# Altium PCB PCB22.PcbDoc (part 10 of 16) (continued)
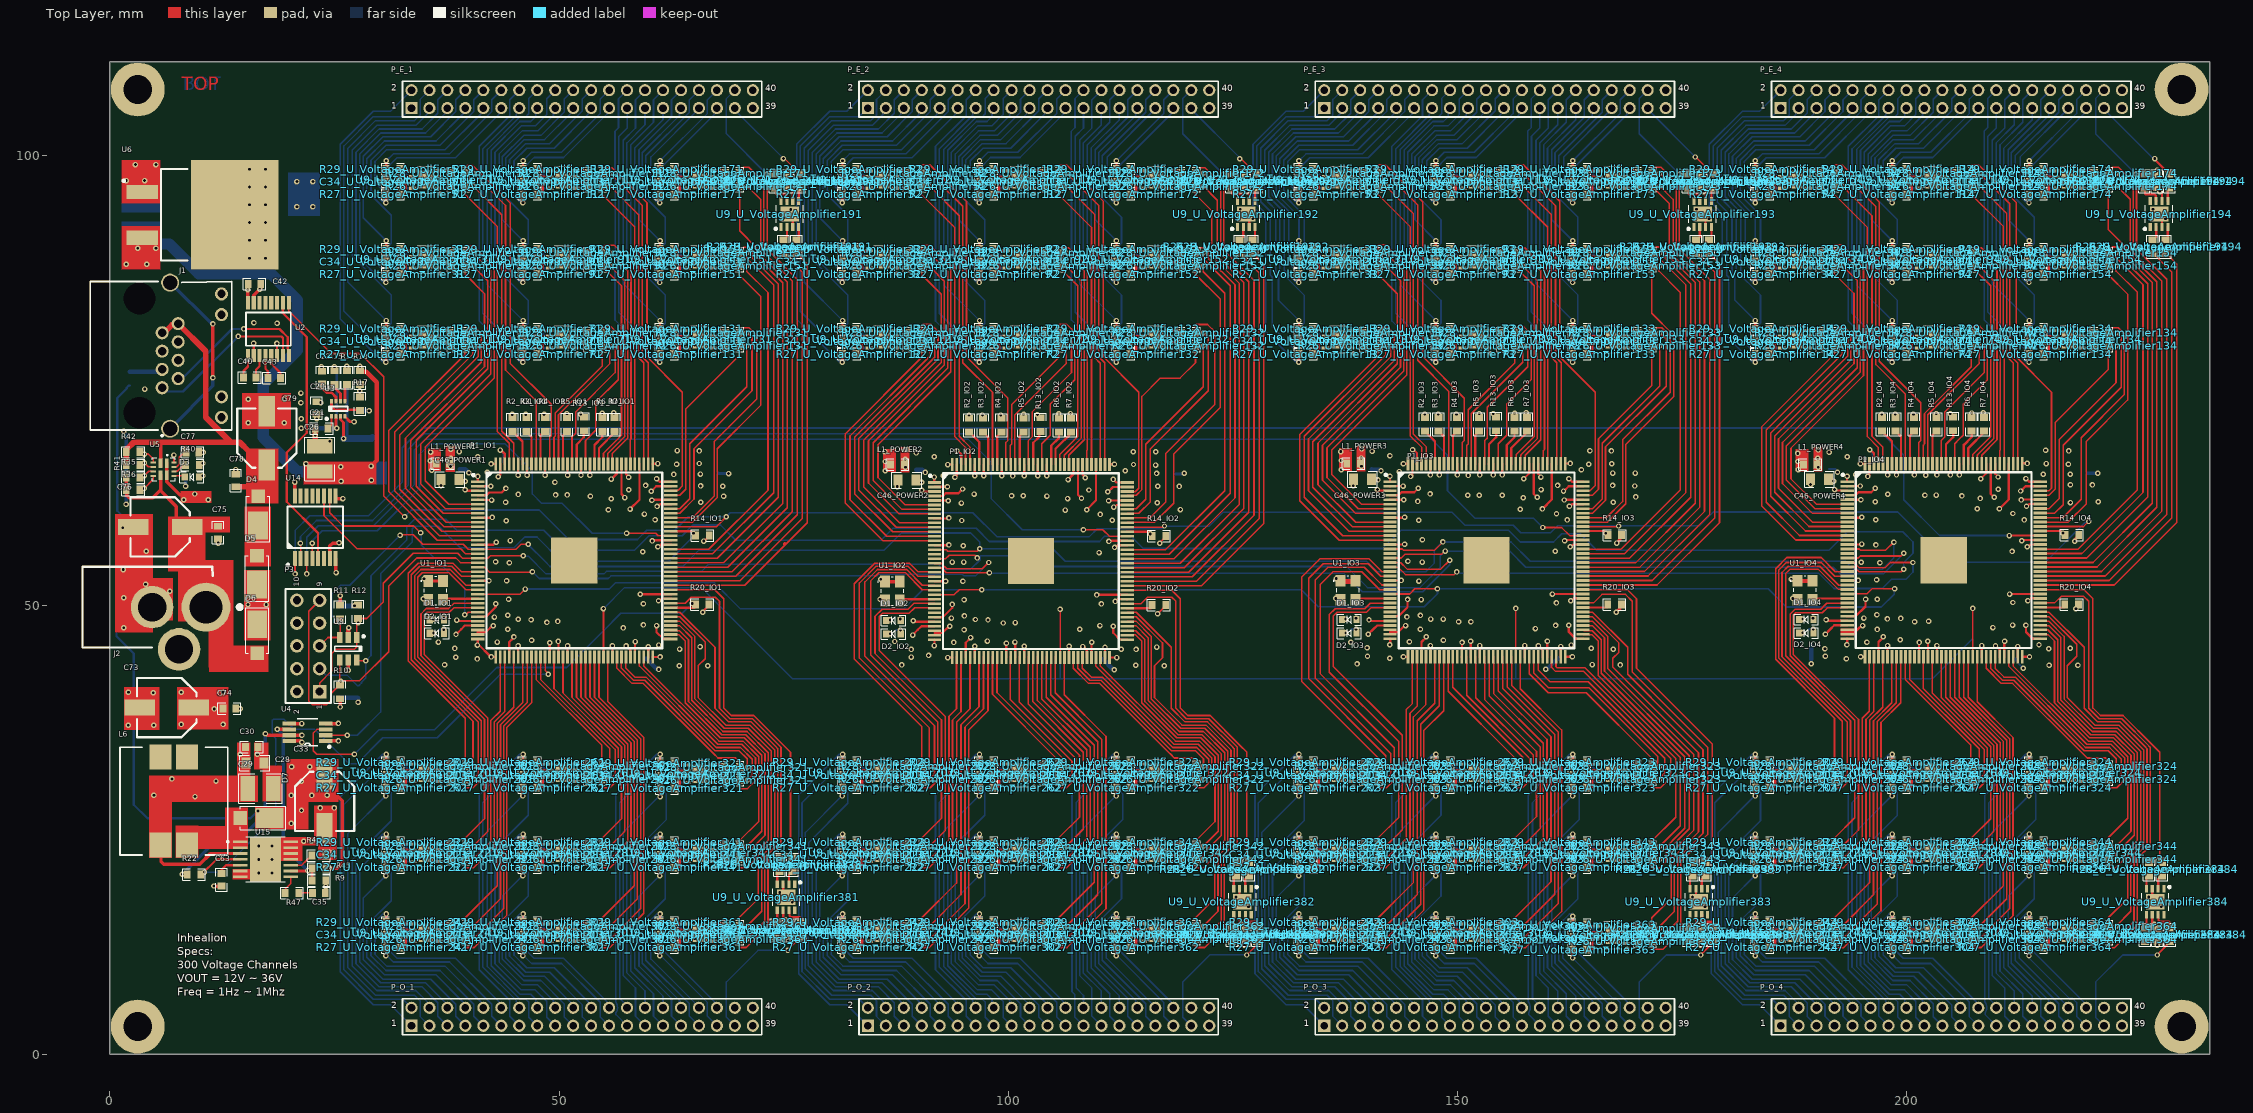
[diagram p0: Top Layer view]
## Nets (pads, with @x,y where several pads share a name; then routed paths per layer and width w, separated by ;. In a path a pad name is that pad's centre, name@x,y a point inside that pad or via, vN(x,y) a via of type N, cw(c..) or ccw(c..) an arc to the next point about the centre after c; other vN are vias at no path point) (continued)
NetR28_U_VoltageAmplifier12_2: R28_U_VoltageAmplifier12.2 U9_U_VoltageAmplifier12.4 | length 1.5
  Top Layer w0.254: U9_U_VoltageAmplifier12.4@87.408,80.578 88.572,80.578 88.826,80.324 R28_U_VoltageAmplifier12.2@88.826,80.319
NetR28_U_VoltageAmplifier13_2: R28_U_VoltageAmplifier13.2 U9_U_VoltageAmplifier13.4 | length 1.5
  Top Layer w0.254: U9_U_VoltageAmplifier13.4@138.208,80.578 139.372,80.578 139.626,80.324 R28_U_VoltageAmplifier13.2@139.626,80.319
NetR28_U_VoltageAmplifier14_2: R28_U_VoltageAmplifier14.2 U9_U_VoltageAmplifier14.4 | length 1.5
  Top Layer w0.254: U9_U_VoltageAmplifier14.4@189.008,80.578 190.172,80.578 190.426,80.324 R28_U_VoltageAmplifier14.2@190.426,80.319
NetR28_U_VoltageAmplifier21_2: R28_U_VoltageAmplifier21.2 U9_U_VoltageAmplifier21.4 | length 1.5
  Bottom Layer w0.254: U9_U_VoltageAmplifier21.4@36.608,78.628 37.782,78.628 R28_U_VoltageAmplifier21.2@38.026,78.872
NetR28_U_VoltageAmplifier22_2: R28_U_VoltageAmplifier22.2 U9_U_VoltageAmplifier22.4 | length 1.5
  Bottom Layer w0.254: U9_U_VoltageAmplifier22.4@87.408,78.628 88.582,78.628 R28_U_VoltageAmplifier22.2@88.826,78.872
NetR28_U_VoltageAmplifier23_2: R28_U_VoltageAmplifier23.2 U9_U_VoltageAmplifier23.4 | length 1.5
  Bottom Layer w0.254: U9_U_VoltageAmplifier23.4@138.208,78.628 139.382,78.628 R28_U_VoltageAmplifier23.2@139.626,78.872
NetR28_U_VoltageAmplifier24_2: R28_U_VoltageAmplifier24.2 U9_U_VoltageAmplifier24.4 | length 1.5
  Bottom Layer w0.254: U9_U_VoltageAmplifier24.4@189.008,78.628 190.182,78.628 R28_U_VoltageAmplifier24.2@190.426,78.872
NetR28_U_VoltageAmplifier31_2: R28_U_VoltageAmplifier31.2 U9_U_VoltageAmplifier31.4 | length 1.5
  Top Layer w0.254: U9_U_VoltageAmplifier31.4@36.608,89.468 37.772,89.468 38.026,89.214 R28_U_VoltageAmplifier31.2@38.026,89.209
NetR28_U_VoltageAmplifier32_2: R28_U_VoltageAmplifier32.2 U9_U_VoltageAmplifier32.4 | length 1.5
  Top Layer w0.254: U9_U_VoltageAmplifier32.4@87.408,89.468 88.572,89.468 88.826,89.214 R28_U_VoltageAmplifier32.2@88.826,89.209
NetR28_U_VoltageAmplifier33_2: R28_U_VoltageAmplifier33.2 U9_U_VoltageAmplifier33.4 | length 1.5
  Top Layer w0.254: U9_U_VoltageAmplifier33.4@138.208,89.468 139.372,89.468 139.626,89.214 R28_U_VoltageAmplifier33.2@139.626,89.209
NetR28_U_VoltageAmplifier34_2: R28_U_VoltageAmplifier34.2 U9_U_VoltageAmplifier34.4 | length 1.5
  Top Layer w0.254: U9_U_VoltageAmplifier34.4@189.008,89.468 190.172,89.468 190.426,89.214 R28_U_VoltageAmplifier34.2@190.426,89.209
NetR28_U_VoltageAmplifier41_2: R28_U_VoltageAmplifier41.2 U9_U_VoltageAmplifier41.4 | length 1.5
  Bottom Layer w0.254: U9_U_VoltageAmplifier41.4@36.608,87.518 37.782,87.518 R28_U_VoltageAmplifier41.2@38.026,87.762
NetR28_U_VoltageAmplifier42_2: R28_U_VoltageAmplifier42.2 U9_U_VoltageAmplifier42.4 | length 1.5
  Bottom Layer w0.254: U9_U_VoltageAmplifier42.4@87.408,87.518 88.582,87.518 R28_U_VoltageAmplifier42.2@88.826,87.762
NetR28_U_VoltageAmplifier43_2: R28_U_VoltageAmplifier43.2 U9_U_VoltageAmplifier43.4 | length 1.5
  Bottom Layer w0.254: U9_U_VoltageAmplifier43.4@138.208,87.518 139.382,87.518 R28_U_VoltageAmplifier43.2@139.626,87.762
NetR28_U_VoltageAmplifier44_2: R28_U_VoltageAmplifier44.2 U9_U_VoltageAmplifier44.4 | length 1.5
  Bottom Layer w0.254: U9_U_VoltageAmplifier44.4@189.008,87.518 190.182,87.518 R28_U_VoltageAmplifier44.2@190.426,87.762
NetR28_U_VoltageAmplifier51_2: R28_U_VoltageAmplifier51.2 U9_U_VoltageAmplifier51.4 | length 1.5
  Top Layer w0.254: U9_U_VoltageAmplifier51.4@36.608,98.358 37.772,98.358 38.026,98.104 R28_U_VoltageAmplifier51.2@38.026,98.099
NetR28_U_VoltageAmplifier52_2: R28_U_VoltageAmplifier52.2 U9_U_VoltageAmplifier52.4 | length 1.5
  Top Layer w0.254: U9_U_VoltageAmplifier52.4@87.408,98.358 88.572,98.358 88.826,98.104 R28_U_VoltageAmplifier52.2@88.826,98.099
NetR28_U_VoltageAmplifier53_2: R28_U_VoltageAmplifier53.2 U9_U_VoltageAmplifier53.4 | length 1.5
  Top Layer w0.254: U9_U_VoltageAmplifier53.4@138.208,98.358 139.372,98.358 139.626,98.104 R28_U_VoltageAmplifier53.2@139.626,98.099
NetR28_U_VoltageAmplifier54_2: R28_U_VoltageAmplifier54.2 U9_U_VoltageAmplifier54.4 | length 1.5
  Top Layer w0.254: U9_U_VoltageAmplifier54.4@189.008,98.358 190.172,98.358 190.426,98.104 R28_U_VoltageAmplifier54.2@190.426,98.099
NetR28_U_VoltageAmplifier61_2: R28_U_VoltageAmplifier61.2 U9_U_VoltageAmplifier61.4 | length 1.5
  Bottom Layer w0.254: U9_U_VoltageAmplifier61.4@36.608,96.408 37.782,96.408 R28_U_VoltageAmplifier61.2@38.026,96.652
NetR28_U_VoltageAmplifier62_2: R28_U_VoltageAmplifier62.2 U9_U_VoltageAmplifier62.4 | length 1.5
  Bottom Layer w0.254: U9_U_VoltageAmplifier62.4@87.408,96.408 88.582,96.408 R28_U_VoltageAmplifier62.2@88.826,96.652
NetR28_U_VoltageAmplifier63_2: R28_U_VoltageAmplifier63.2 U9_U_VoltageAmplifier63.4 | length 1.5
  Bottom Layer w0.254: U9_U_VoltageAmplifier63.4@138.208,96.408 139.382,96.408 R28_U_VoltageAmplifier63.2@139.626,96.652
NetR28_U_VoltageAmplifier64_2: R28_U_VoltageAmplifier64.2 U9_U_VoltageAmplifier64.4 | length 1.5
  Bottom Layer w0.254: U9_U_VoltageAmplifier64.4@189.008,96.408 190.182,96.408 R28_U_VoltageAmplifier64.2@190.426,96.652
NetR28_U_VoltageAmplifier71_2: R28_U_VoltageAmplifier71.2 U9_U_VoltageAmplifier71.4 | length 1.5
  Top Layer w0.254: U9_U_VoltageAmplifier71.4@51.848,80.578 53.012,80.578 53.266,80.324 R28_U_VoltageAmplifier71.2@53.266,80.319
NetR28_U_VoltageAmplifier72_2: R28_U_VoltageAmplifier72.2 U9_U_VoltageAmplifier72.4 | length 1.5
  Top Layer w0.254: U9_U_VoltageAmplifier72.4@102.648,80.578 103.812,80.578 104.066,80.324 R28_U_VoltageAmplifier72.2@104.066,80.319
NetR28_U_VoltageAmplifier73_2: R28_U_VoltageAmplifier73.2 U9_U_VoltageAmplifier73.4 | length 1.5
  Top Layer w0.254: U9_U_VoltageAmplifier73.4@153.448,80.578 154.612,80.578 154.866,80.324 R28_U_VoltageAmplifier73.2@154.866,80.319
NetR28_U_VoltageAmplifier74_2: R28_U_VoltageAmplifier74.2 U9_U_VoltageAmplifier74.4 | length 1.5
  Top Layer w0.254: U9_U_VoltageAmplifier74.4@204.248,80.578 205.412,80.578 205.666,80.324 R28_U_VoltageAmplifier74.2@205.666,80.319
NetR28_U_VoltageAmplifier81_2: R28_U_VoltageAmplifier81.2 U9_U_VoltageAmplifier81.4 | length 1.5
  Bottom Layer w0.254: U9_U_VoltageAmplifier81.4@51.848,78.628 53.022,78.628 R28_U_VoltageAmplifier81.2@53.266,78.872
NetR28_U_VoltageAmplifier82_2: R28_U_VoltageAmplifier82.2 U9_U_VoltageAmplifier82.4 | length 1.5
  Bottom Layer w0.254: U9_U_VoltageAmplifier82.4@102.648,78.628 103.822,78.628 R28_U_VoltageAmplifier82.2@104.066,78.872
NetR28_U_VoltageAmplifier83_2: R28_U_VoltageAmplifier83.2 U9_U_VoltageAmplifier83.4 | length 1.5
  Bottom Layer w0.254: U9_U_VoltageAmplifier83.4@153.448,78.628 154.622,78.628 R28_U_VoltageAmplifier83.2@154.866,78.872
NetR28_U_VoltageAmplifier84_2: R28_U_VoltageAmplifier84.2 U9_U_VoltageAmplifier84.4 | length 1.5
  Bottom Layer w0.254: U9_U_VoltageAmplifier84.4@204.248,78.628 205.422,78.628 R28_U_VoltageAmplifier84.2@205.666,78.872
NetR28_U_VoltageAmplifier91_2: R28_U_VoltageAmplifier91.2 U9_U_VoltageAmplifier91.4 | length 1.5
  Top Layer w0.254: U9_U_VoltageAmplifier91.4@51.848,89.468 53.012,89.468 53.266,89.214 R28_U_VoltageAmplifier91.2@53.266,89.209
NetR28_U_VoltageAmplifier92_2: R28_U_VoltageAmplifier92.2 U9_U_VoltageAmplifier92.4 | length 1.5
  Top Layer w0.254: U9_U_VoltageAmplifier92.4@102.648,89.468 103.812,89.468 104.066,89.214 R28_U_VoltageAmplifier92.2@104.066,89.209
NetR28_U_VoltageAmplifier93_2: R28_U_VoltageAmplifier93.2 U9_U_VoltageAmplifier93.4 | length 1.5
  Top Layer w0.254: U9_U_VoltageAmplifier93.4@153.448,89.468 154.612,89.468 154.866,89.214 R28_U_VoltageAmplifier93.2@154.866,89.209
NetR28_U_VoltageAmplifier94_2: R28_U_VoltageAmplifier94.2 U9_U_VoltageAmplifier94.4 | length 1.5
  Top Layer w0.254: U9_U_VoltageAmplifier94.4@204.248,89.468 205.412,89.468 205.666,89.214 R28_U_VoltageAmplifier94.2@205.666,89.209
NetR28_U_VoltageAmplifier101_2: R28_U_VoltageAmplifier101.2 U9_U_VoltageAmplifier101.4 | length 1.5
  Bottom Layer w0.254: U9_U_VoltageAmplifier101.4@51.848,87.518 53.022,87.518 R28_U_VoltageAmplifier101.2@53.266,87.762
NetR28_U_VoltageAmplifier102_2: R28_U_VoltageAmplifier102.2 U9_U_VoltageAmplifier102.4 | length 1.5
  Bottom Layer w0.254: U9_U_VoltageAmplifier102.4@102.648,87.518 103.822,87.518 R28_U_VoltageAmplifier102.2@104.066,87.762
NetR28_U_VoltageAmplifier103_2: R28_U_VoltageAmplifier103.2 U9_U_VoltageAmplifier103.4 | length 1.5
  Bottom Layer w0.254: U9_U_VoltageAmplifier103.4@153.448,87.518 154.622,87.518 R28_U_VoltageAmplifier103.2@154.866,87.762
NetR28_U_VoltageAmplifier104_2: R28_U_VoltageAmplifier104.2 U9_U_VoltageAmplifier104.4 | length 1.5
  Bottom Layer w0.254: U9_U_VoltageAmplifier104.4@204.248,87.518 205.422,87.518 R28_U_VoltageAmplifier104.2@205.666,87.762
NetR28_U_VoltageAmplifier111_2: R28_U_VoltageAmplifier111.2 U9_U_VoltageAmplifier111.4 | length 1.5
  Top Layer w0.254: U9_U_VoltageAmplifier111.4@51.848,98.358 53.012,98.358 53.266,98.104 R28_U_VoltageAmplifier111.2@53.266,98.099
NetR28_U_VoltageAmplifier112_2: R28_U_VoltageAmplifier112.2 U9_U_VoltageAmplifier112.4 | length 1.5
  Top Layer w0.254: U9_U_VoltageAmplifier112.4@102.648,98.358 103.812,98.358 104.066,98.104 R28_U_VoltageAmplifier112.2@104.066,98.099
NetR28_U_VoltageAmplifier113_2: R28_U_VoltageAmplifier113.2 U9_U_VoltageAmplifier113.4 | length 1.5
  Top Layer w0.254: U9_U_VoltageAmplifier113.4@153.448,98.358 154.612,98.358 154.866,98.104 R28_U_VoltageAmplifier113.2@154.866,98.099
NetR28_U_VoltageAmplifier114_2: R28_U_VoltageAmplifier114.2 U9_U_VoltageAmplifier114.4 | length 1.5
  Top Layer w0.254: U9_U_VoltageAmplifier114.4@204.248,98.358 205.412,98.358 205.666,98.104 R28_U_VoltageAmplifier114.2@205.666,98.099
NetR28_U_VoltageAmplifier121_2: R28_U_VoltageAmplifier121.2 U9_U_VoltageAmplifier121.4 | length 1.5
  Bottom Layer w0.254: U9_U_VoltageAmplifier121.4@51.848,96.408 53.022,96.408 R28_U_VoltageAmplifier121.2@53.266,96.652
NetR28_U_VoltageAmplifier122_2: R28_U_VoltageAmplifier122.2 U9_U_VoltageAmplifier122.4 | length 1.5
  Bottom Layer w0.254: U9_U_VoltageAmplifier122.4@102.648,96.408 103.822,96.408 R28_U_VoltageAmplifier122.2@104.066,96.652
NetR28_U_VoltageAmplifier123_2: R28_U_VoltageAmplifier123.2 U9_U_VoltageAmplifier123.4 | length 1.5
  Bottom Layer w0.254: U9_U_VoltageAmplifier123.4@153.448,96.408 154.622,96.408 R28_U_VoltageAmplifier123.2@154.866,96.652
NetR28_U_VoltageAmplifier124_2: R28_U_VoltageAmplifier124.2 U9_U_VoltageAmplifier124.4 | length 1.5
  Bottom Layer w0.254: U9_U_VoltageAmplifier124.4@204.248,96.408 205.422,96.408 R28_U_VoltageAmplifier124.2@205.666,96.652
NetR28_U_VoltageAmplifier131_2: R28_U_VoltageAmplifier131.2 U9_U_VoltageAmplifier131.4 | length 1.5
  Top Layer w0.254: U9_U_VoltageAmplifier131.4@67.088,80.578 68.252,80.578 68.506,80.324 R28_U_VoltageAmplifier131.2@68.506,80.319
NetR28_U_VoltageAmplifier132_2: R28_U_VoltageAmplifier132.2 U9_U_VoltageAmplifier132.4 | length 1.5
  Top Layer w0.254: U9_U_VoltageAmplifier132.4@117.888,80.578 119.052,80.578 119.306,80.324 R28_U_VoltageAmplifier132.2@119.306,80.319
NetR28_U_VoltageAmplifier133_2: R28_U_VoltageAmplifier133.2 U9_U_VoltageAmplifier133.4 | length 1.5
  Top Layer w0.254: U9_U_VoltageAmplifier133.4@168.688,80.578 169.852,80.578 170.106,80.324 R28_U_VoltageAmplifier133.2@170.106,80.319
NetR28_U_VoltageAmplifier134_2: R28_U_VoltageAmplifier134.2 U9_U_VoltageAmplifier134.4 | length 1.5
  Top Layer w0.254: U9_U_VoltageAmplifier134.4@219.488,80.578 220.652,80.578 220.906,80.324 R28_U_VoltageAmplifier134.2@220.906,80.319
NetR28_U_VoltageAmplifier141_2: R28_U_VoltageAmplifier141.2 U9_U_VoltageAmplifier141.4 | length 1.5
  Bottom Layer w0.254: U9_U_VoltageAmplifier141.4@67.088,78.628 68.262,78.628 R28_U_VoltageAmplifier141.2@68.506,78.872
NetR28_U_VoltageAmplifier142_2: R28_U_VoltageAmplifier142.2 U9_U_VoltageAmplifier142.4 | length 1.5
  Bottom Layer w0.254: U9_U_VoltageAmplifier142.4@117.888,78.628 119.062,78.628 R28_U_VoltageAmplifier142.2@119.306,78.872
NetR28_U_VoltageAmplifier143_2: R28_U_VoltageAmplifier143.2 U9_U_VoltageAmplifier143.4 | length 1.5
  Bottom Layer w0.254: U9_U_VoltageAmplifier143.4@168.688,78.628 169.862,78.628 R28_U_VoltageAmplifier143.2@170.106,78.872
NetR28_U_VoltageAmplifier144_2: R28_U_VoltageAmplifier144.2 U9_U_VoltageAmplifier144.4 | length 1.5
  Bottom Layer w0.254: U9_U_VoltageAmplifier144.4@219.488,78.628 220.662,78.628 R28_U_VoltageAmplifier144.2@220.906,78.872
NetR28_U_VoltageAmplifier151_2: R28_U_VoltageAmplifier151.2 U9_U_VoltageAmplifier151.4 | length 1.5
  Top Layer w0.254: U9_U_VoltageAmplifier151.4@67.088,89.468 68.252,89.468 68.506,89.214 R28_U_VoltageAmplifier151.2@68.506,89.209
NetR28_U_VoltageAmplifier152_2: R28_U_VoltageAmplifier152.2 U9_U_VoltageAmplifier152.4 | length 1.5
  Top Layer w0.254: U9_U_VoltageAmplifier152.4@117.888,89.468 119.052,89.468 119.306,89.214 R28_U_VoltageAmplifier152.2@119.306,89.209
NetR28_U_VoltageAmplifier153_2: R28_U_VoltageAmplifier153.2 U9_U_VoltageAmplifier153.4 | length 1.5
  Top Layer w0.254: U9_U_VoltageAmplifier153.4@168.688,89.468 169.852,89.468 170.106,89.214 R28_U_VoltageAmplifier153.2@170.106,89.209
NetR28_U_VoltageAmplifier154_2: R28_U_VoltageAmplifier154.2 U9_U_VoltageAmplifier154.4 | length 1.5
  Top Layer w0.254: U9_U_VoltageAmplifier154.4@219.488,89.468 220.652,89.468 220.906,89.214 R28_U_VoltageAmplifier154.2@220.906,89.209
NetR28_U_VoltageAmplifier161_2: R28_U_VoltageAmplifier161.2 U9_U_VoltageAmplifier161.4 | length 1.5
  Bottom Layer w0.254: U9_U_VoltageAmplifier161.4@67.088,87.518 68.262,87.518 R28_U_VoltageAmplifier161.2@68.506,87.762
NetR28_U_VoltageAmplifier162_2: R28_U_VoltageAmplifier162.2 U9_U_VoltageAmplifier162.4 | length 1.5
  Bottom Layer w0.254: U9_U_VoltageAmplifier162.4@117.888,87.518 119.062,87.518 R28_U_VoltageAmplifier162.2@119.306,87.762
NetR28_U_VoltageAmplifier163_2: R28_U_VoltageAmplifier163.2 U9_U_VoltageAmplifier163.4 | length 1.5
  Bottom Layer w0.254: U9_U_VoltageAmplifier163.4@168.688,87.518 169.862,87.518 R28_U_VoltageAmplifier163.2@170.106,87.762
NetR28_U_VoltageAmplifier164_2: R28_U_VoltageAmplifier164.2 U9_U_VoltageAmplifier164.4 | length 1.5
  Bottom Layer w0.254: U9_U_VoltageAmplifier164.4@219.488,87.518 220.662,87.518 R28_U_VoltageAmplifier164.2@220.906,87.762
NetR28_U_VoltageAmplifier171_2: R28_U_VoltageAmplifier171.2 U9_U_VoltageAmplifier171.4 | length 1.5
  Top Layer w0.254: U9_U_VoltageAmplifier171.4@67.088,98.358 68.252,98.358 68.506,98.104 R28_U_VoltageAmplifier171.2@68.506,98.099
NetR28_U_VoltageAmplifier172_2: R28_U_VoltageAmplifier172.2 U9_U_VoltageAmplifier172.4 | length 1.5
  Top Layer w0.254: U9_U_VoltageAmplifier172.4@117.888,98.358 119.052,98.358 119.306,98.104 R28_U_VoltageAmplifier172.2@119.306,98.099
NetR28_U_VoltageAmplifier173_2: R28_U_VoltageAmplifier173.2 U9_U_VoltageAmplifier173.4 | length 1.5
  Top Layer w0.254: U9_U_VoltageAmplifier173.4@168.688,98.358 169.852,98.358 170.106,98.104 R28_U_VoltageAmplifier173.2@170.106,98.099
NetR28_U_VoltageAmplifier174_2: R28_U_VoltageAmplifier174.2 U9_U_VoltageAmplifier174.4 | length 1.5
  Top Layer w0.254: U9_U_VoltageAmplifier174.4@219.488,98.358 220.652,98.358 220.906,98.104 R28_U_VoltageAmplifier174.2@220.906,98.099
NetR28_U_VoltageAmplifier181_2: R28_U_VoltageAmplifier181.2 U9_U_VoltageAmplifier181.4 | length 1.5
  Bottom Layer w0.254: U9_U_VoltageAmplifier181.4@67.088,96.408 68.262,96.408 R28_U_VoltageAmplifier181.2@68.506,96.652
NetR28_U_VoltageAmplifier182_2: R28_U_VoltageAmplifier182.2 U9_U_VoltageAmplifier182.4 | length 1.5
  Bottom Layer w0.254: U9_U_VoltageAmplifier182.4@117.888,96.408 119.062,96.408 R28_U_VoltageAmplifier182.2@119.306,96.652
NetR28_U_VoltageAmplifier183_2: R28_U_VoltageAmplifier183.2 U9_U_VoltageAmplifier183.4 | length 1.5
  Bottom Layer w0.254: U9_U_VoltageAmplifier183.4@168.688,96.408 169.862,96.408 R28_U_VoltageAmplifier183.2@170.106,96.652
NetR28_U_VoltageAmplifier184_2: R28_U_VoltageAmplifier184.2 U9_U_VoltageAmplifier184.4 | length 1.5
  Bottom Layer w0.254: U9_U_VoltageAmplifier184.4@219.488,96.408 220.662,96.408 R28_U_VoltageAmplifier184.2@220.906,96.652
NetR28_U_VoltageAmplifier191_2: R28_U_VoltageAmplifier191.2 U9_U_VoltageAmplifier191.4 | length 1.5
  Top Layer w0.254: R28_U_VoltageAmplifier191.2@76.399,90.672 76.404,90.672 76.658,90.926 U9_U_VoltageAmplifier191.4@76.658,92.09
NetR28_U_VoltageAmplifier192_2: R28_U_VoltageAmplifier192.2 U9_U_VoltageAmplifier192.4 | length 1.5
  Top Layer w0.254: R28_U_VoltageAmplifier192.2@127.199,90.672 127.204,90.672 127.458,90.926 U9_U_VoltageAmplifier192.4@127.458,92.09
NetR28_U_VoltageAmplifier193_2: R28_U_VoltageAmplifier193.2 U9_U_VoltageAmplifier193.4 | length 1.5
  Top Layer w0.254: R28_U_VoltageAmplifier193.2@177.999,90.672 178.004,90.672 178.258,90.926 U9_U_VoltageAmplifier193.4@178.258,92.09
NetR28_U_VoltageAmplifier194_2: R28_U_VoltageAmplifier194.2 U9_U_VoltageAmplifier194.4 | length 1.5
  Top Layer w0.254: R28_U_VoltageAmplifier194.2@228.799,90.672 228.804,90.672 229.058,90.926 U9_U_VoltageAmplifier194.4@229.058,92.09
NetR28_U_VoltageAmplifier201_2: R28_U_VoltageAmplifier201.2 U9_U_VoltageAmplifier201.4 | length 1.5
  Top Layer w0.254: U9_U_VoltageAmplifier201.4@36.608,32.318 37.772,32.318 38.026,32.064 R28_U_VoltageAmplifier201.2@38.026,32.059
NetR28_U_VoltageAmplifier202_2: R28_U_VoltageAmplifier202.2 U9_U_VoltageAmplifier202.4 | length 1.5
  Top Layer w0.254: U9_U_VoltageAmplifier202.4@87.408,32.318 88.572,32.318 88.826,32.064 R28_U_VoltageAmplifier202.2@88.826,32.059
NetR28_U_VoltageAmplifier203_2: R28_U_VoltageAmplifier203.2 U9_U_VoltageAmplifier203.4 | length 1.5
  Top Layer w0.254: U9_U_VoltageAmplifier203.4@138.208,32.318 139.372,32.318 139.626,32.064 R28_U_VoltageAmplifier203.2@139.626,32.059
NetR28_U_VoltageAmplifier204_2: R28_U_VoltageAmplifier204.2 U9_U_VoltageAmplifier204.4 | length 1.5
  Top Layer w0.254: U9_U_VoltageAmplifier204.4@189.008,32.318 190.172,32.318 190.426,32.064 R28_U_VoltageAmplifier204.2@190.426,32.059
NetR28_U_VoltageAmplifier211_2: R28_U_VoltageAmplifier211.2 U9_U_VoltageAmplifier211.4 | length 1.5
  Bottom Layer w0.254: U9_U_VoltageAmplifier211.4@36.608,30.368 37.782,30.368 R28_U_VoltageAmplifier211.2@38.026,30.612
NetR28_U_VoltageAmplifier212_2: R28_U_VoltageAmplifier212.2 U9_U_VoltageAmplifier212.4 | length 1.5
  Bottom Layer w0.254: U9_U_VoltageAmplifier212.4@87.408,30.368 88.582,30.368 R28_U_VoltageAmplifier212.2@88.826,30.612
NetR28_U_VoltageAmplifier213_2: R28_U_VoltageAmplifier213.2 U9_U_VoltageAmplifier213.4 | length 1.5
  Bottom Layer w0.254: U9_U_VoltageAmplifier213.4@138.208,30.368 139.382,30.368 R28_U_VoltageAmplifier213.2@139.626,30.612
NetR28_U_VoltageAmplifier214_2: R28_U_VoltageAmplifier214.2 U9_U_VoltageAmplifier214.4 | length 1.5
  Bottom Layer w0.254: U9_U_VoltageAmplifier214.4@189.008,30.368 190.182,30.368 R28_U_VoltageAmplifier214.2@190.426,30.612
NetR28_U_VoltageAmplifier221_2: R28_U_VoltageAmplifier221.2 U9_U_VoltageAmplifier221.4 | length 1.5
  Top Layer w0.254: U9_U_VoltageAmplifier221.4@36.608,23.428 37.772,23.428 38.026,23.174 R28_U_VoltageAmplifier221.2@38.026,23.169
NetR28_U_VoltageAmplifier222_2: R28_U_VoltageAmplifier222.2 U9_U_VoltageAmplifier222.4 | length 1.5
  Top Layer w0.254: U9_U_VoltageAmplifier222.4@87.408,23.428 88.572,23.428 88.826,23.174 R28_U_VoltageAmplifier222.2@88.826,23.169
NetR28_U_VoltageAmplifier223_2: R28_U_VoltageAmplifier223.2 U9_U_VoltageAmplifier223.4 | length 1.5
  Top Layer w0.254: U9_U_VoltageAmplifier223.4@138.208,23.428 139.372,23.428 139.626,23.174 R28_U_VoltageAmplifier223.2@139.626,23.169
NetR28_U_VoltageAmplifier224_2: R28_U_VoltageAmplifier224.2 U9_U_VoltageAmplifier224.4 | length 1.5
  Top Layer w0.254: U9_U_VoltageAmplifier224.4@189.008,23.428 190.172,23.428 190.426,23.174 R28_U_VoltageAmplifier224.2@190.426,23.169
NetR28_U_VoltageAmplifier231_2: R28_U_VoltageAmplifier231.2 U9_U_VoltageAmplifier231.4 | length 1.5
  Bottom Layer w0.254: U9_U_VoltageAmplifier231.4@36.608,21.478 37.782,21.478 R28_U_VoltageAmplifier231.2@38.026,21.722
NetR28_U_VoltageAmplifier232_2: R28_U_VoltageAmplifier232.2 U9_U_VoltageAmplifier232.4 | length 1.5
  Bottom Layer w0.254: U9_U_VoltageAmplifier232.4@87.408,21.478 88.582,21.478 R28_U_VoltageAmplifier232.2@88.826,21.722
NetR28_U_VoltageAmplifier233_2: R28_U_VoltageAmplifier233.2 U9_U_VoltageAmplifier233.4 | length 1.5
  Bottom Layer w0.254: U9_U_VoltageAmplifier233.4@138.208,21.478 139.382,21.478 R28_U_VoltageAmplifier233.2@139.626,21.722
NetR28_U_VoltageAmplifier234_2: R28_U_VoltageAmplifier234.2 U9_U_VoltageAmplifier234.4 | length 1.5
  Bottom Layer w0.254: U9_U_VoltageAmplifier234.4@189.008,21.478 190.182,21.478 R28_U_VoltageAmplifier234.2@190.426,21.722
NetR28_U_VoltageAmplifier241_2: R28_U_VoltageAmplifier241.2 U9_U_VoltageAmplifier241.4 | length 1.5
  Top Layer w0.254: U9_U_VoltageAmplifier241.4@36.608,14.538 37.772,14.538 38.026,14.284 R28_U_VoltageAmplifier241.2@38.026,14.279
NetR28_U_VoltageAmplifier242_2: R28_U_VoltageAmplifier242.2 U9_U_VoltageAmplifier242.4 | length 1.5
  Top Layer w0.254: U9_U_VoltageAmplifier242.4@87.408,14.538 88.572,14.538 88.826,14.284 R28_U_VoltageAmplifier242.2@88.826,14.279
NetR28_U_VoltageAmplifier243_2: R28_U_VoltageAmplifier243.2 U9_U_VoltageAmplifier243.4 | length 1.5
  Top Layer w0.254: U9_U_VoltageAmplifier243.4@138.208,14.538 139.372,14.538 139.626,14.284 R28_U_VoltageAmplifier243.2@139.626,14.279
NetR28_U_VoltageAmplifier244_2: R28_U_VoltageAmplifier244.2 U9_U_VoltageAmplifier244.4 | length 1.5
  Top Layer w0.254: U9_U_VoltageAmplifier244.4@189.008,14.538 190.172,14.538 190.426,14.284 R28_U_VoltageAmplifier244.2@190.426,14.279
NetR28_U_VoltageAmplifier251_2: R28_U_VoltageAmplifier251.2 U9_U_VoltageAmplifier251.4 | length 1.5
  Bottom Layer w0.254: U9_U_VoltageAmplifier251.4@36.608,12.588 37.782,12.588 R28_U_VoltageAmplifier251.2@38.026,12.832
NetR28_U_VoltageAmplifier252_2: R28_U_VoltageAmplifier252.2 U9_U_VoltageAmplifier252.4 | length 1.5
  Bottom Layer w0.254: U9_U_VoltageAmplifier252.4@87.408,12.588 88.582,12.588 R28_U_VoltageAmplifier252.2@88.826,12.832
NetR28_U_VoltageAmplifier253_2: R28_U_VoltageAmplifier253.2 U9_U_VoltageAmplifier253.4 | length 1.5
  Bottom Layer w0.254: U9_U_VoltageAmplifier253.4@138.208,12.588 139.382,12.588 R28_U_VoltageAmplifier253.2@139.626,12.832
NetR28_U_VoltageAmplifier254_2: R28_U_VoltageAmplifier254.2 U9_U_VoltageAmplifier254.4 | length 1.5
  Bottom Layer w0.254: U9_U_VoltageAmplifier254.4@189.008,12.588 190.182,12.588 R28_U_VoltageAmplifier254.2@190.426,12.832
NetR28_U_VoltageAmplifier261_2: R28_U_VoltageAmplifier261.2 U9_U_VoltageAmplifier261.4 | length 1.5
  Top Layer w0.254: U9_U_VoltageAmplifier261.4@51.848,32.318 53.012,32.318 53.266,32.064 R28_U_VoltageAmplifier261.2@53.266,32.059
NetR28_U_VoltageAmplifier262_2: R28_U_VoltageAmplifier262.2 U9_U_VoltageAmplifier262.4 | length 1.5
  Top Layer w0.254: U9_U_VoltageAmplifier262.4@102.648,32.318 103.812,32.318 104.066,32.064 R28_U_VoltageAmplifier262.2@104.066,32.059
NetR28_U_VoltageAmplifier263_2: R28_U_VoltageAmplifier263.2 U9_U_VoltageAmplifier263.4 | length 1.5
  Top Layer w0.254: U9_U_VoltageAmplifier263.4@153.448,32.318 154.612,32.318 154.866,32.064 R28_U_VoltageAmplifier263.2@154.866,32.059
NetR28_U_VoltageAmplifier264_2: R28_U_VoltageAmplifier264.2 U9_U_VoltageAmplifier264.4 | length 1.5
  Top Layer w0.254: U9_U_VoltageAmplifier264.4@204.248,32.318 205.412,32.318 205.666,32.064 R28_U_VoltageAmplifier264.2@205.666,32.059
NetR28_U_VoltageAmplifier271_2: R28_U_VoltageAmplifier271.2 U9_U_VoltageAmplifier271.4 | length 1.5
  Bottom Layer w0.254: U9_U_VoltageAmplifier271.4@51.848,30.368 53.022,30.368 R28_U_VoltageAmplifier271.2@53.266,30.612
NetR28_U_VoltageAmplifier272_2: R28_U_VoltageAmplifier272.2 U9_U_VoltageAmplifier272.4 | length 1.5
  Bottom Layer w0.254: U9_U_VoltageAmplifier272.4@102.648,30.368 103.822,30.368 R28_U_VoltageAmplifier272.2@104.066,30.612
NetR28_U_VoltageAmplifier273_2: R28_U_VoltageAmplifier273.2 U9_U_VoltageAmplifier273.4 | length 1.5
  Bottom Layer w0.254: U9_U_VoltageAmplifier273.4@153.448,30.368 154.622,30.368 R28_U_VoltageAmplifier273.2@154.866,30.612
NetR28_U_VoltageAmplifier274_2: R28_U_VoltageAmplifier274.2 U9_U_VoltageAmplifier274.4 | length 1.5
  Bottom Layer w0.254: U9_U_VoltageAmplifier274.4@204.248,30.368 205.422,30.368 R28_U_VoltageAmplifier274.2@205.666,30.612
NetR28_U_VoltageAmplifier281_2: R28_U_VoltageAmplifier281.2 U9_U_VoltageAmplifier281.4 | length 1.5
  Top Layer w0.254: U9_U_VoltageAmplifier281.4@51.848,23.428 53.012,23.428 53.266,23.174 R28_U_VoltageAmplifier281.2@53.266,23.169
NetR28_U_VoltageAmplifier282_2: R28_U_VoltageAmplifier282.2 U9_U_VoltageAmplifier282.4 | length 1.5
  Top Layer w0.254: U9_U_VoltageAmplifier282.4@102.648,23.428 103.812,23.428 104.066,23.174 R28_U_VoltageAmplifier282.2@104.066,23.169
NetR28_U_VoltageAmplifier283_2: R28_U_VoltageAmplifier283.2 U9_U_VoltageAmplifier283.4 | length 1.5
  Top Layer w0.254: U9_U_VoltageAmplifier283.4@153.448,23.428 154.612,23.428 154.866,23.174 R28_U_VoltageAmplifier283.2@154.866,23.169
NetR28_U_VoltageAmplifier284_2: R28_U_VoltageAmplifier284.2 U9_U_VoltageAmplifier284.4 | length 1.5
  Top Layer w0.254: U9_U_VoltageAmplifier284.4@204.248,23.428 205.412,23.428 205.666,23.174 R28_U_VoltageAmplifier284.2@205.666,23.169
NetR28_U_VoltageAmplifier291_2: R28_U_VoltageAmplifier291.2 U9_U_VoltageAmplifier291.4 | length 1.5
  Bottom Layer w0.254: U9_U_VoltageAmplifier291.4@51.848,21.478 53.022,21.478 R28_U_VoltageAmplifier291.2@53.266,21.722
NetR28_U_VoltageAmplifier292_2: R28_U_VoltageAmplifier292.2 U9_U_VoltageAmplifier292.4 | length 1.5
  Bottom Layer w0.254: U9_U_VoltageAmplifier292.4@102.648,21.478 103.822,21.478 R28_U_VoltageAmplifier292.2@104.066,21.722
NetR28_U_VoltageAmplifier293_2: R28_U_VoltageAmplifier293.2 U9_U_VoltageAmplifier293.4 | length 1.5
  Bottom Layer w0.254: U9_U_VoltageAmplifier293.4@153.448,21.478 154.622,21.478 R28_U_VoltageAmplifier293.2@154.866,21.722
NetR28_U_VoltageAmplifier294_2: R28_U_VoltageAmplifier294.2 U9_U_VoltageAmplifier294.4 | length 1.5
  Bottom Layer w0.254: U9_U_VoltageAmplifier294.4@204.248,21.478 205.422,21.478 R28_U_VoltageAmplifier294.2@205.666,21.722
NetR28_U_VoltageAmplifier301_2: R28_U_VoltageAmplifier301.2 U9_U_VoltageAmplifier301.4 | length 1.5
  Top Layer w0.254: U9_U_VoltageAmplifier301.4@51.848,14.538 53.012,14.538 53.266,14.284 R28_U_VoltageAmplifier301.2@53.266,14.279
NetR28_U_VoltageAmplifier302_2: R28_U_VoltageAmplifier302.2 U9_U_VoltageAmplifier302.4 | length 1.5
  Top Layer w0.254: U9_U_VoltageAmplifier302.4@102.648,14.538 103.812,14.538 104.066,14.284 R28_U_VoltageAmplifier302.2@104.066,14.279
NetR28_U_VoltageAmplifier303_2: R28_U_VoltageAmplifier303.2 U9_U_VoltageAmplifier303.4 | length 1.5
  Top Layer w0.254: U9_U_VoltageAmplifier303.4@153.448,14.538 154.612,14.538 154.866,14.284 R28_U_VoltageAmplifier303.2@154.866,14.279
NetR28_U_VoltageAmplifier304_2: R28_U_VoltageAmplifier304.2 U9_U_VoltageAmplifier304.4 | length 1.5
  Top Layer w0.254: U9_U_VoltageAmplifier304.4@204.248,14.538 205.412,14.538 205.666,14.284 R28_U_VoltageAmplifier304.2@205.666,14.279
NetR28_U_VoltageAmplifier311_2: R28_U_VoltageAmplifier311.2 U9_U_VoltageAmplifier311.4 | length 1.5
  Bottom Layer w0.254: U9_U_VoltageAmplifier311.4@51.848,12.588 53.022,12.588 R28_U_VoltageAmplifier311.2@53.266,12.832
NetR28_U_VoltageAmplifier312_2: R28_U_VoltageAmplifier312.2 U9_U_VoltageAmplifier312.4 | length 1.5
  Bottom Layer w0.254: U9_U_VoltageAmplifier312.4@102.648,12.588 103.822,12.588 R28_U_VoltageAmplifier312.2@104.066,12.832